# Altium PCB board_layout.pcbdoc (part 1 of 3)
Units mm, origin at the board's own origin, x right, y up, seen from the top; angles counter-clockwise.
Board outline 92.15 x 89.13 mm, 2 copper layers (Top Layer, Bottom Layer), stack 1.59 mm thick; 164 components, 134 nets, 736 pads, 476 vias.
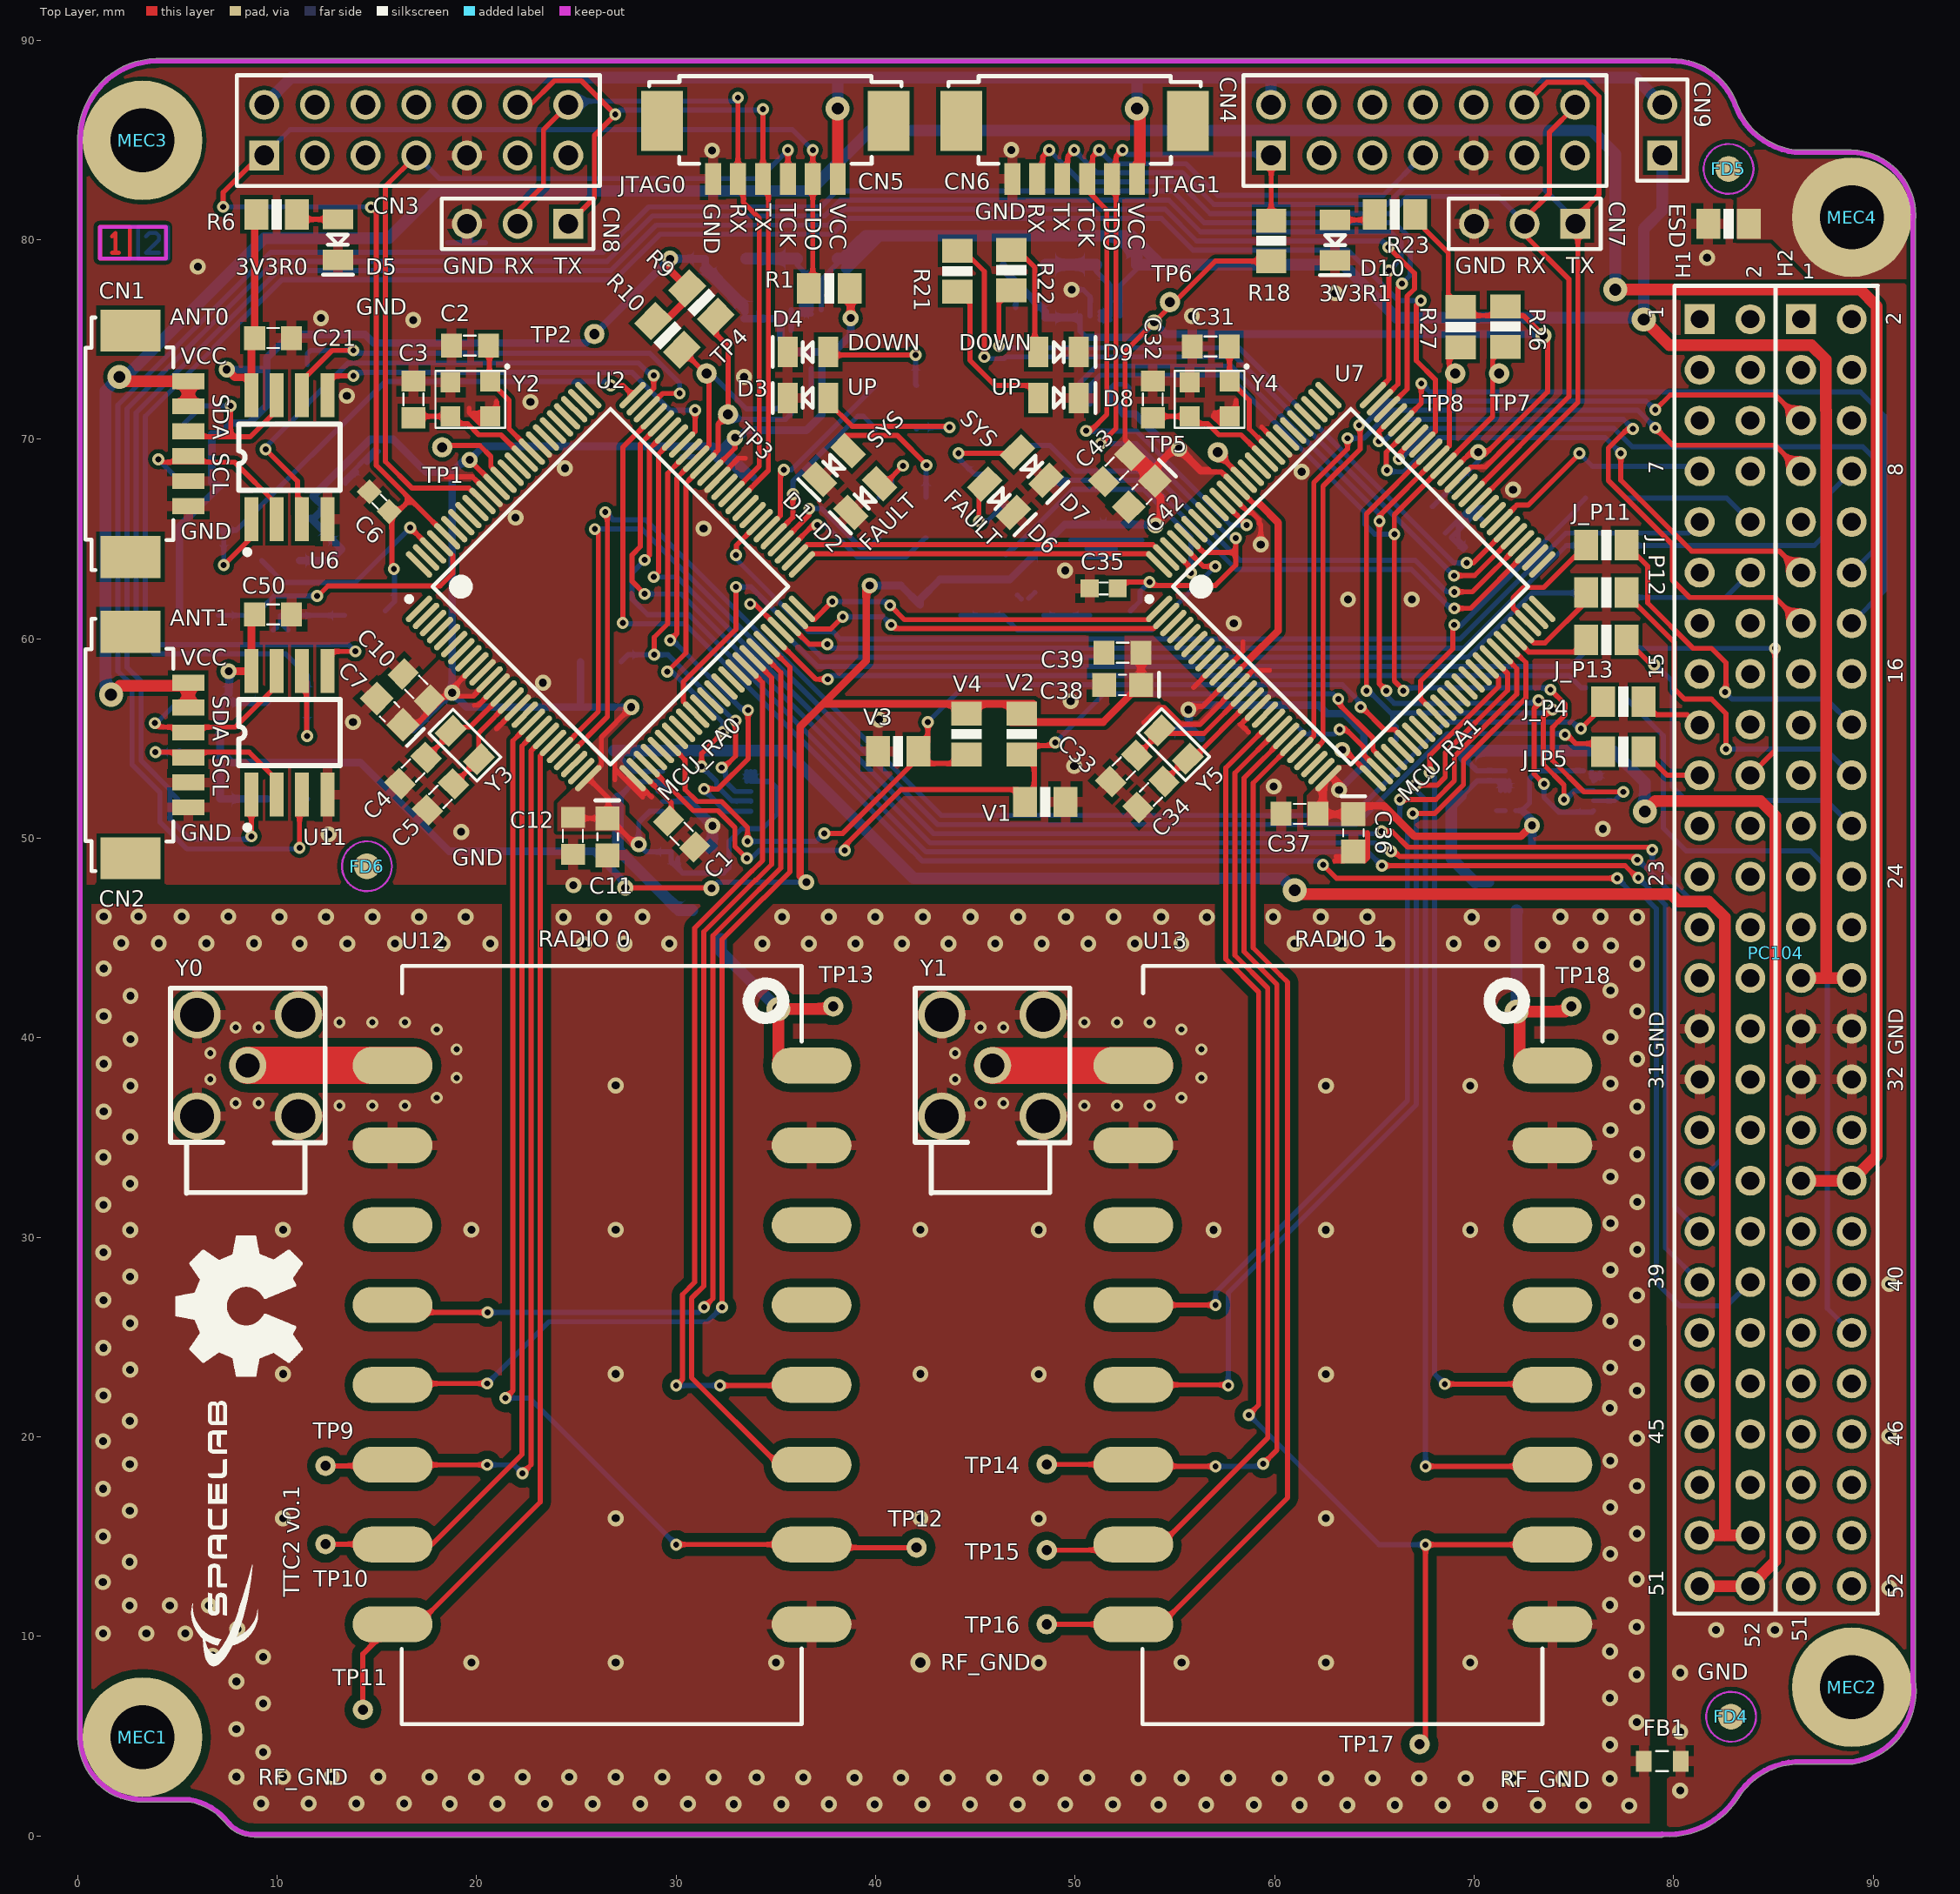
[diagram p0: Top Layer view]
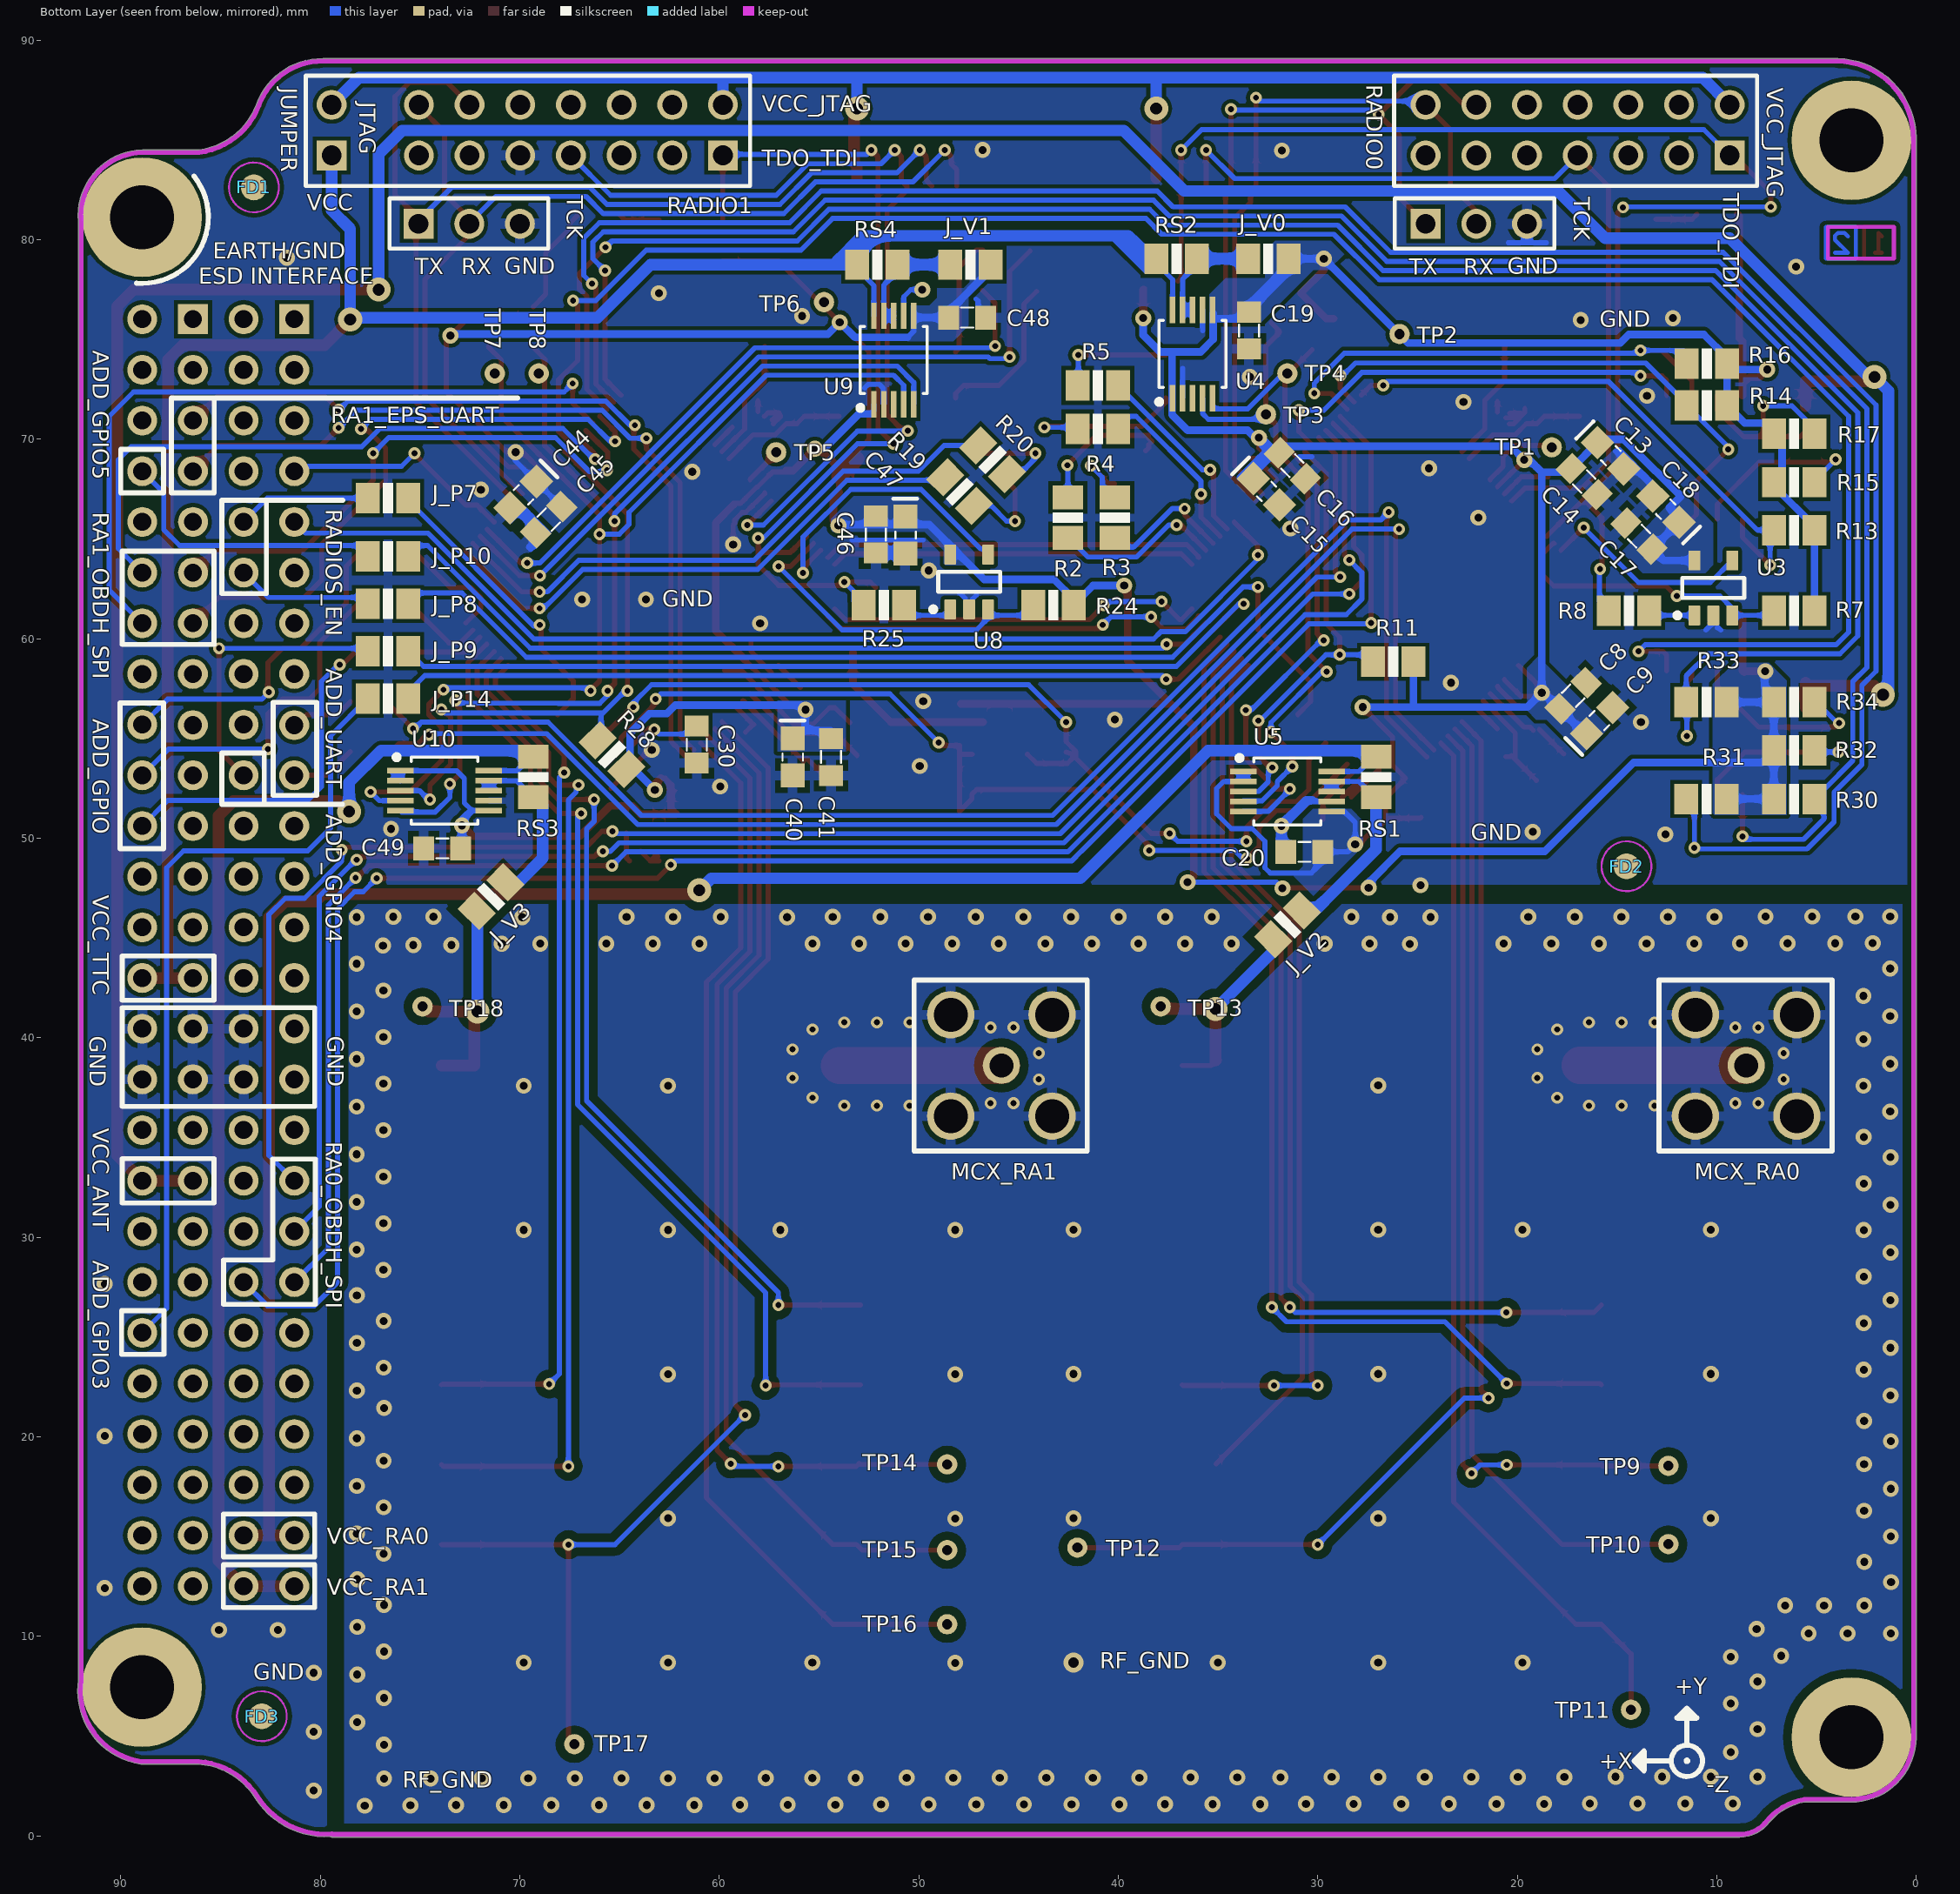
[diagram p1: Bottom Layer view, seen from below]
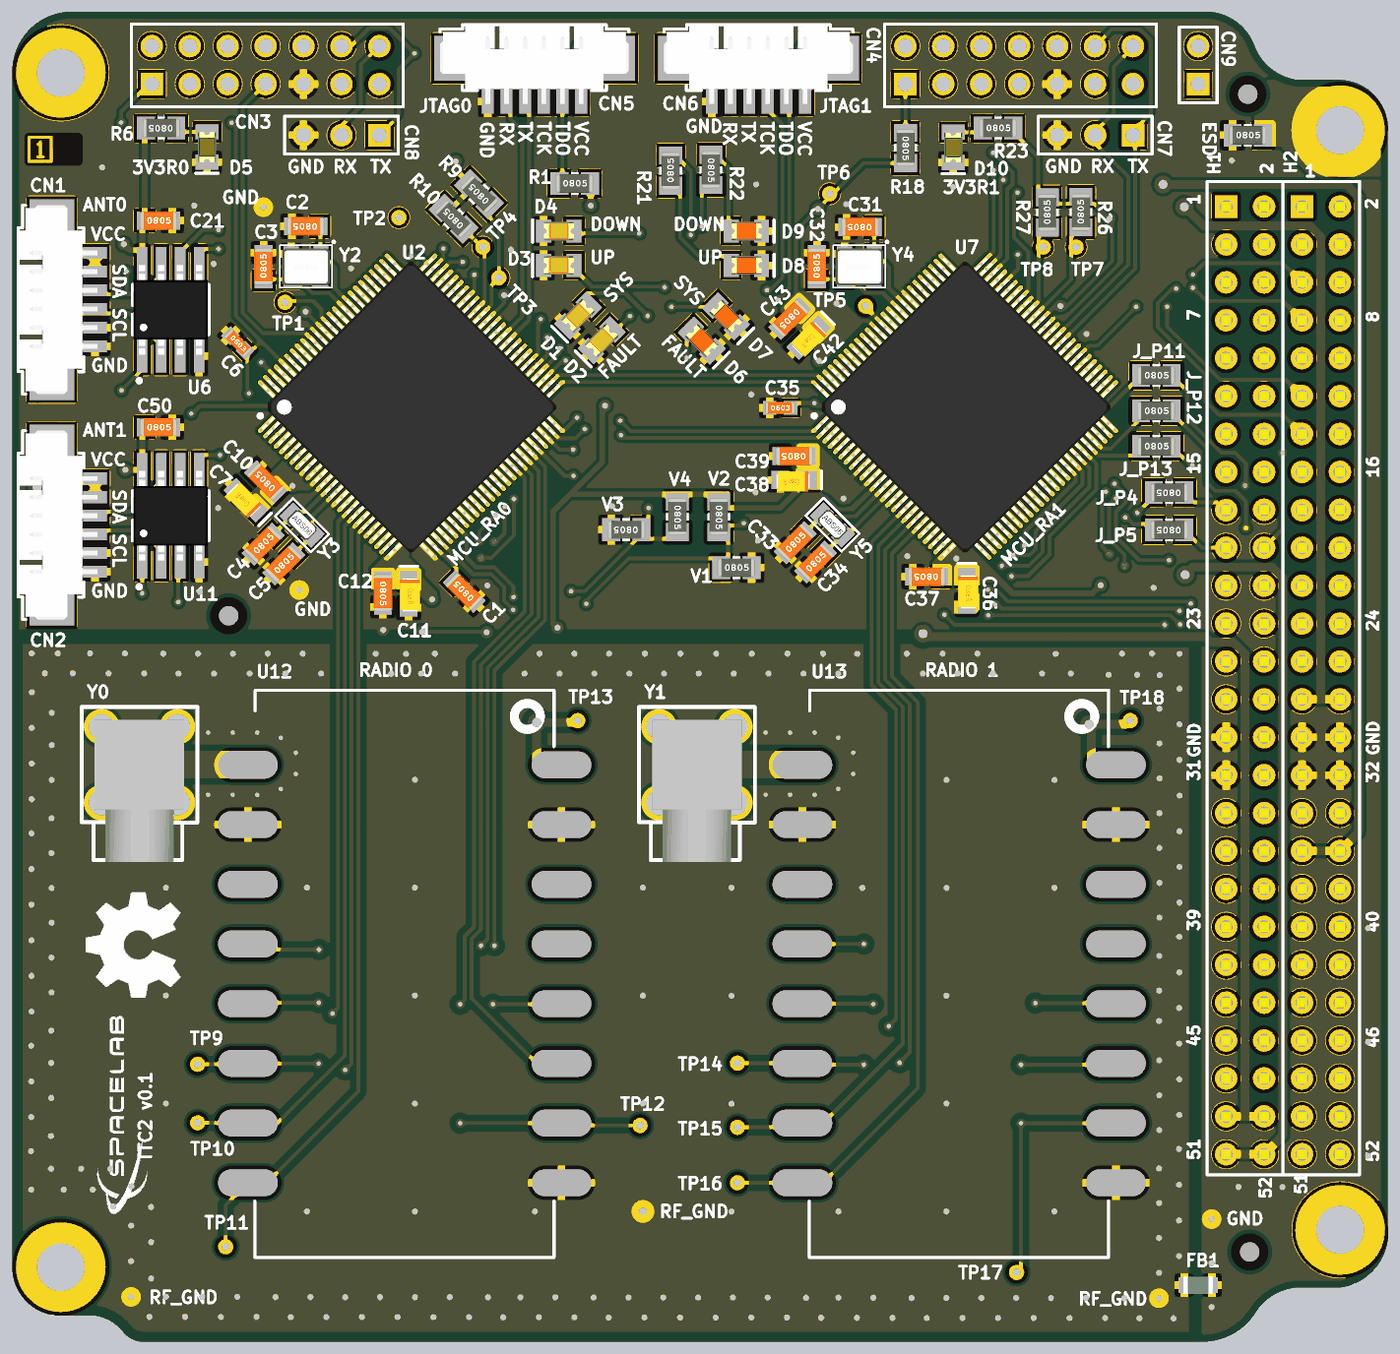
[diagram p4: 3D render of the assembled board from above, using the file's embedded part models]
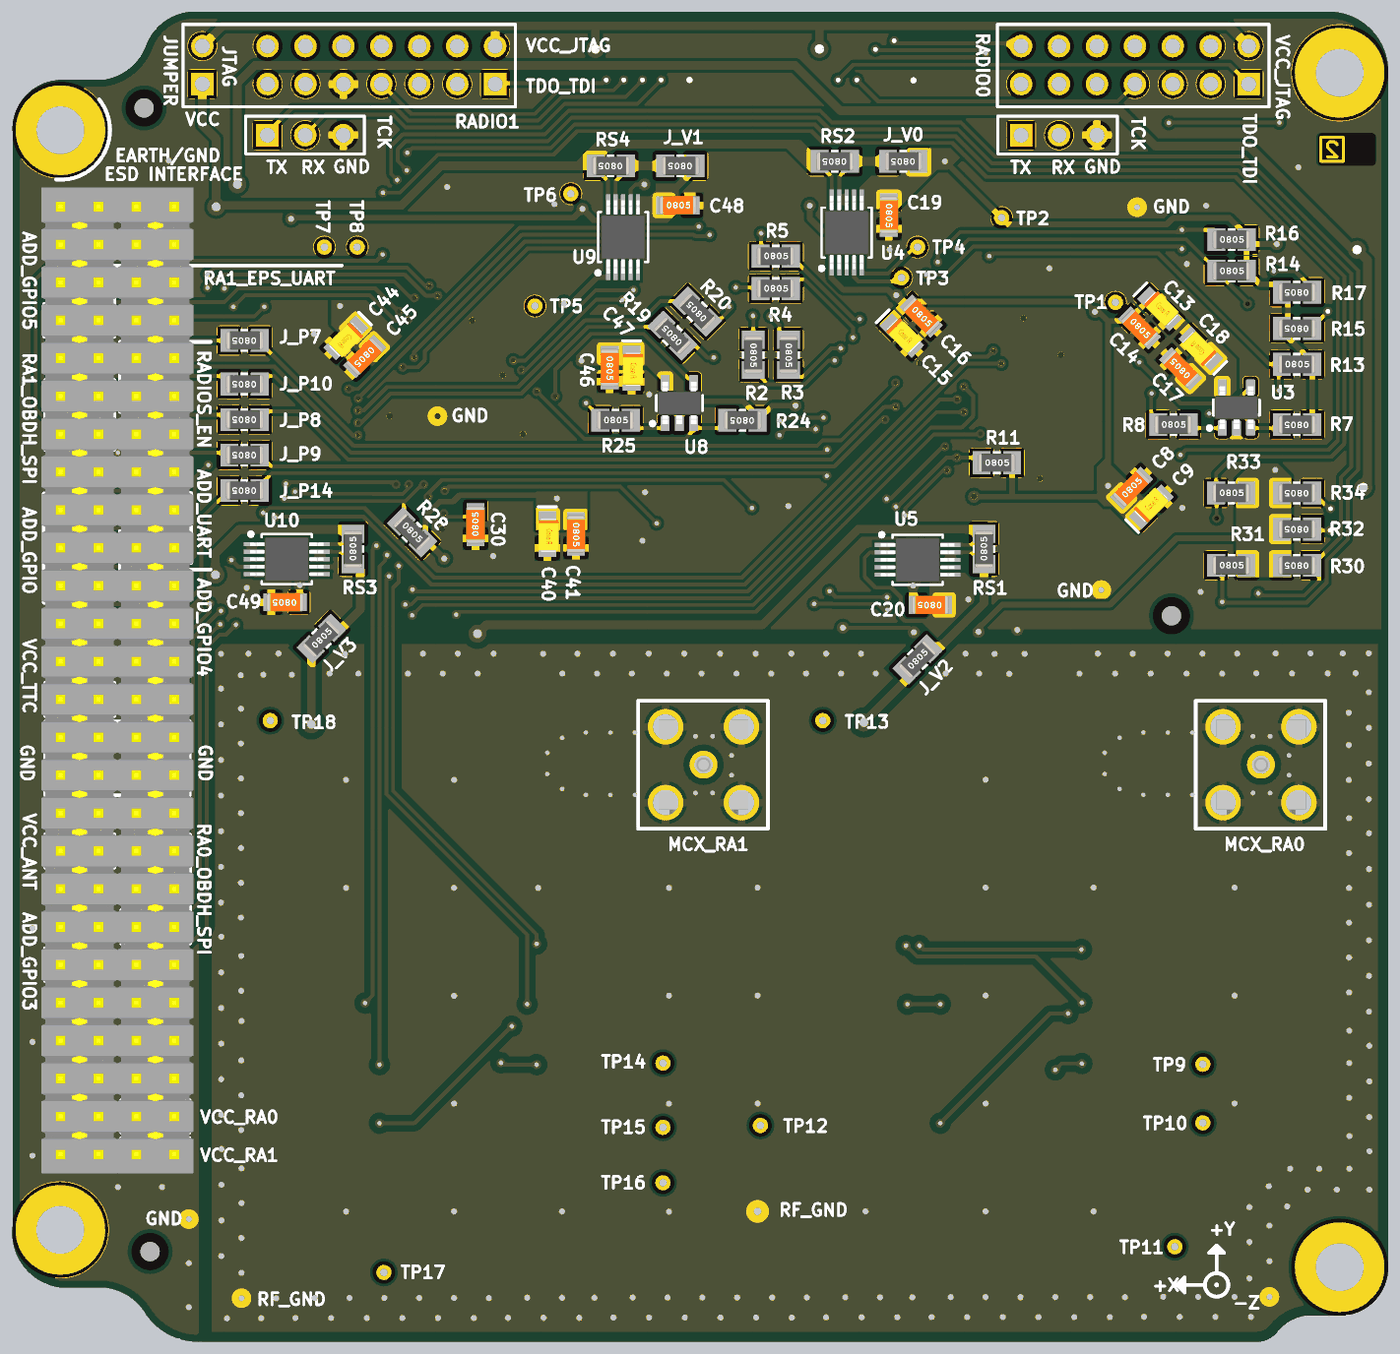
[diagram p5: 3D render of the assembled board from below, using the file's embedded part models]

## Layer stack, top to bottom
Top Solder: solder mask 0.0102, Solder Resist, Dk 3.5
Top Layer: signal copper 0.035
Dielectric1: core 1.52, Dk 4.2
Bottom Layer: signal copper 0.035
Bottom Solder: solder mask 0.0102, Solder Resist, Dk 3.5

## Board outline
7.47,0.569 cw(c7.566,0.653) 7.465,0.576 ccw(c5.115,-1.211) 5.599,1.701 3.284,1.701 ccw(c3.259,4.953) 3.285,1.701 3.284,1.701 cw(c3.259,4.953) 0.007,4.927 cw(c0.134,4.928) 0.007,4.928 0.007,85.078 cw(c0.134,85.078) 0.01,85.107 cw(c4.013,85.078) 3.933,89.08 cw(c3.936,88.952) 3.943,89.079 cw(c3.959,88.953) 3.959,89.08 79.858,89.08 cw(c79.912,85.581) 83.203,86.772 cw(c79.912,85.581) 83.204,86.771 83.203,86.772 ccw(c86.54,88.048) 86.08,84.505 88.909,84.505 cw(c88.909,84.378) 88.912,84.505 cw(c88.837,81.206) 92.137,81.206 cw(c88.837,81.206) 92.136,81.13 cw(c92.009,81.133) 92.114,81.061 92.114,7.807 cw(c88.451,7.264) 92.154,7.264 cw(c88.451,7.264) 89.003,3.602 cw(c88.984,3.728) 88.984,3.601 86.089,3.601 ccw(c86.356,-0.046) 83.267,1.911 ccw(c86.356,-0.046) 83.267,1.91 ccw(c83.159,1.978) 83.267,1.911 83.267,1.91 cw(c79.724,4.16) 79.483,-0.03 cw(c79.409,0.074) 79.409,-0.054 8.86,-0.054 ccw(c8.839,1.762) 8.861,-0.054 8.86,-0.054 cw(c8.839,1.762)

## Design rules (kind name [scope] priority, off if disabled: settings)
Clearance Clearance_4 [InNet('RF_GND') vs InNet('RF_GND')] p1: gap=0 ignorepadtopadclearanceinfootprint=TRUE except(0.254: Arc-Arc Arc-Track Arc-SMDPad Track-Track Track-SMDPad SMDPad-SMDPad)
Clearance [InNet('RF_GND') vs InNet('RF_Transceiver_Main_Radio')] p2: gap=0.42 ignorepadtopadclearanceinfootprint=FALSE
Clearance Clearance_1 [InNet('RF_GND') vs InNet('RF_Beacon_Radio')] p3: gap=0.42 ignorepadtopadclearanceinfootprint=FALSE
Clearance Clearance_3 [InNet('RF_GND')] p4: gap=0.42 ignorepadtopadclearanceinfootprint=FALSE
Clearance Clearance_5 [All] p5: gap=0.203 ignorepadtopadclearanceinfootprint=TRUE
Clearance Clearance_2 [InNet('GND')] p6: gap=0.254 ignorepadtopadclearanceinfootprint=TRUE
HoleSize [All] p1: absolutevalues=TRUE maxlimit=5.08 minlimit=0.025 maxpercent=80.000 minpercent=20.000
MinimumSolderMaskSliver [All] p1: minsoldermaskwidth=0
PlaneConnect PlaneConnect_1 [All] p1: planeconnectstyle=Relief reliefexpansion=0.508 reliefentries=4 reliefconductorwidth=0.508 reliefairgap=0.254
PolygonConnect PolygonConnect_4 [InNet('RA_1_VREF_MCU') OR InNet('RA_0_VREF_MCU')] p1: connectstyle=Direct reliefconductorwidth=0.254 reliefentries=4 polygonreliefangle="90 Angle" airgapwidth=0.254
PolygonConnect PolygonConnect_3 [InNet('ESD')] p2: connectstyle=Direct reliefconductorwidth=0.254 reliefentries=4 polygonreliefangle="90 Angle" airgapwidth=0.254
PolygonConnect PolygonConnect_1 [InNet('GND') vs InNet('GND')] p3: thpad.connectstyle=Relief thpad.reliefconductorwidth=0.508 thpad.reliefentries=4 thpad.polygonreliefangle="90 Angle" thpad.airgapwidth=0.254 smdpad.connectstyle=Relief smdpad.reliefconductorwidth=0.508 smdpad.reliefentries=4 smdpad.polygonreliefangle="90 Angle" smdpad.airgapwidth=0.254 via.connectstyle=Direct via.reliefconductorwidth=0.508 via.reliefentries=4 via.polygonreliefangle="90 Angle" via.airgapwidth=0.254
PolygonConnect [InNet('RF_GND') vs InNet('RF_GND')] p4: thpad.connectstyle=Relief thpad.reliefconductorwidth=0.508 thpad.reliefentries=4 thpad.polygonreliefangle="90 Angle" thpad.airgapwidth=0.254 smdpad.connectstyle=Relief smdpad.reliefconductorwidth=0.508 smdpad.reliefentries=4 smdpad.polygonreliefangle="90 Angle" smdpad.airgapwidth=0.254 via.connectstyle=Direct via.reliefconductorwidth=0.254 via.reliefentries=4 via.polygonreliefangle="90 Angle" via.airgapwidth=0.254
PolygonConnect PolygonConnect_2 [All] p5: connectstyle=Relief reliefconductorwidth=0.254 reliefentries=4 polygonreliefangle="90 Angle" airgapwidth=0.254
RoutingVias [All] p1: holewidth=0.381 width=0.762 viastyle="Through Hole" minholewidth=0.127 minwidth=0.254 maxholewidth=1.27 maxwidth=1.27
SilkToSilkClearance [All] p1: silktosilkclearance=0.127
SilkToSolderMaskClearance [IsPad] p1: minsilkscreentomaskgap=0 clearancetoexposedcopper=TRUE
SolderMaskExpansion [All] p1: expansion=0.254
Width Width_Vcc [InNet('RA_0_VREF_MCU') and InNet('RA_1_VREF_MCU')] p1: maxlimit=0.508 minlimit=0.508 preferedwidth=0.508 minimp=50.000000 maximp=50.000000 favimp=50.000000
Width [All] p2: maxlimit=2.032 minlimit=0.127 preferedwidth=0.254
25 further rules are at their usual default settings.

## Classes and differential pairs
component class "Radio 1 (RF4463F30)": J_V3 TP14 TP15 TP16 TP17 TP18 TP53 TP54 TP55 TP56 TP61 U13
component class "Radio 0 (RF4463F30)": J_V2 TP9 TP10 TP11 TP12 TP13 TP44 TP45 TP46 TP47 TP52 U12
component class "MCU RADIO 1": C30 C31 C32 C33 C34 C35 C36 C37 C38 C39 C40 C41 C42 C43 C44 C45 C46 C47 C48 C49 C50 D6 D7 D8 D9 D10 J_V1 R18 R19 R20 R21 R22 R23 R24 R25 R26 R27 R28 R30 R31 R32 R33 R34 RS3 RS4 TP5 TP6 TP7 TP8 TP36 TP37 TP38 TP39 U7 U8 U9 U10 U11 V1 V2 V3 V4 Y4 Y5
component class 0_architecture: FD1 FD2 FD3 FD4 FD5 FD6 MEC1 MEC2 MEC3 MEC4
component class "MCU RADIO 0": C1 C2 C3 C4 C5 C6 C7 C8 C9 C10 C11 C12 C13 C14 C15 C16 C17 C18 C19 C20 C21 D1 D2 D3 D4 D5 J_V0 R1 R2 R3 R4 R5 R6 R7 R8 R9 R10 R11 R13 R14 R15 R16 R17 RS1 RS2 TP1 TP2 TP3 TP4 U2 U3 U4 U5 U6 Y2 Y3
component class Interface: CN1 CN2 CN3 CN4 CN5 CN6 CN7 CN8 CN9 ESD FB1 J_P4 J_P5 J_P7 J_P8 J_P9 J_P10 J_P11 J_P12 J_P13 J_P14 PC104 Y0 Y1
